# Altium PCB sumboost.PcbDoc (part 1 of 2)
Units mil, origin at the board's own origin, x right, y up, seen from the top; angles counter-clockwise.
Board outline 3937.01 x 3937.01 mil, 2 copper layers (Top Layer, Bottom Layer); 75 components, 26 nets, 285 pads, 2186 vias.
Unrouted connection lines stored in the file: 1.
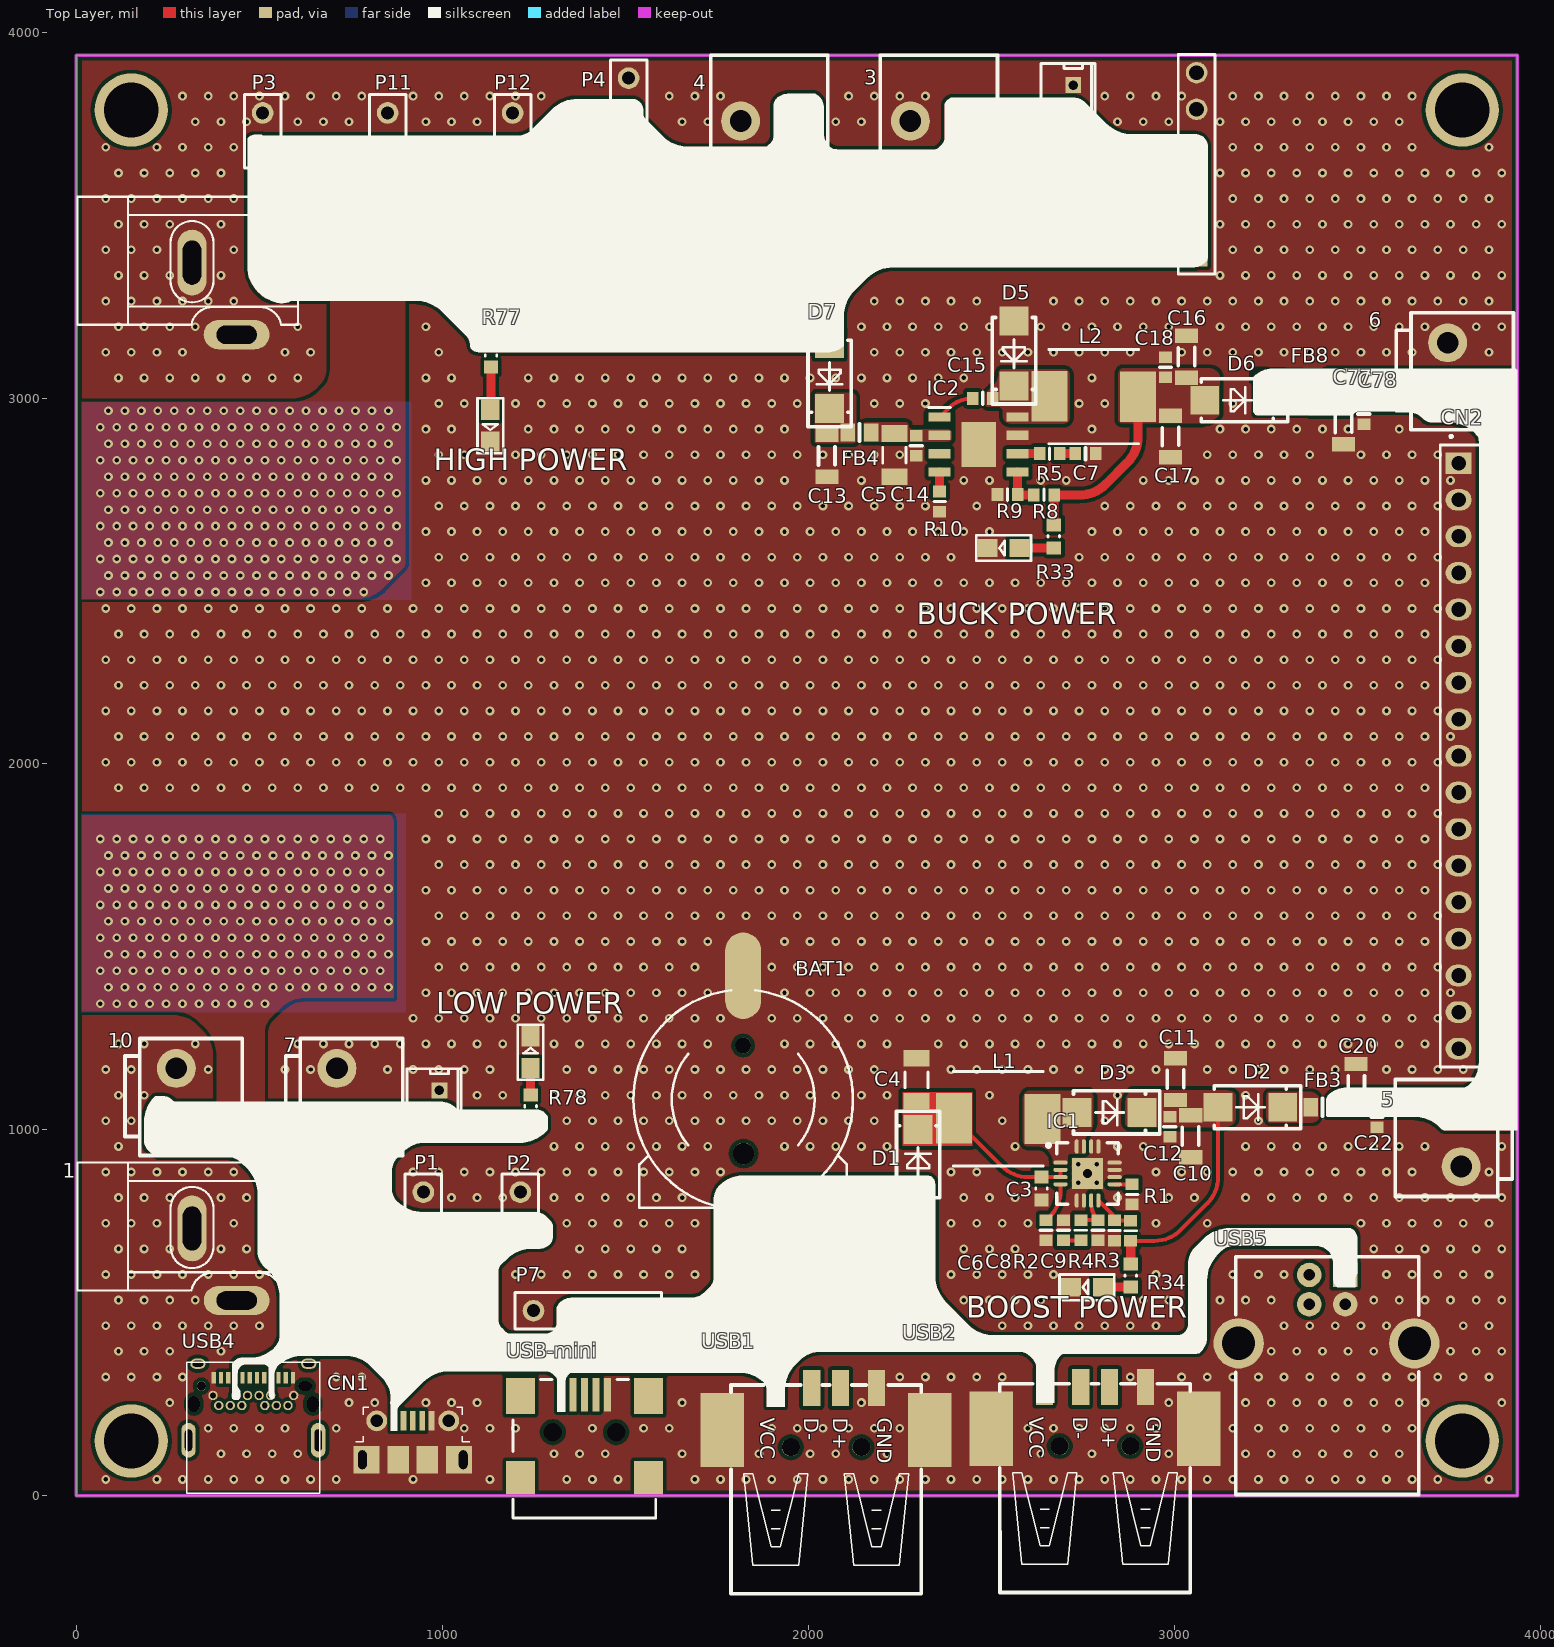
[diagram p0: Top Layer view]
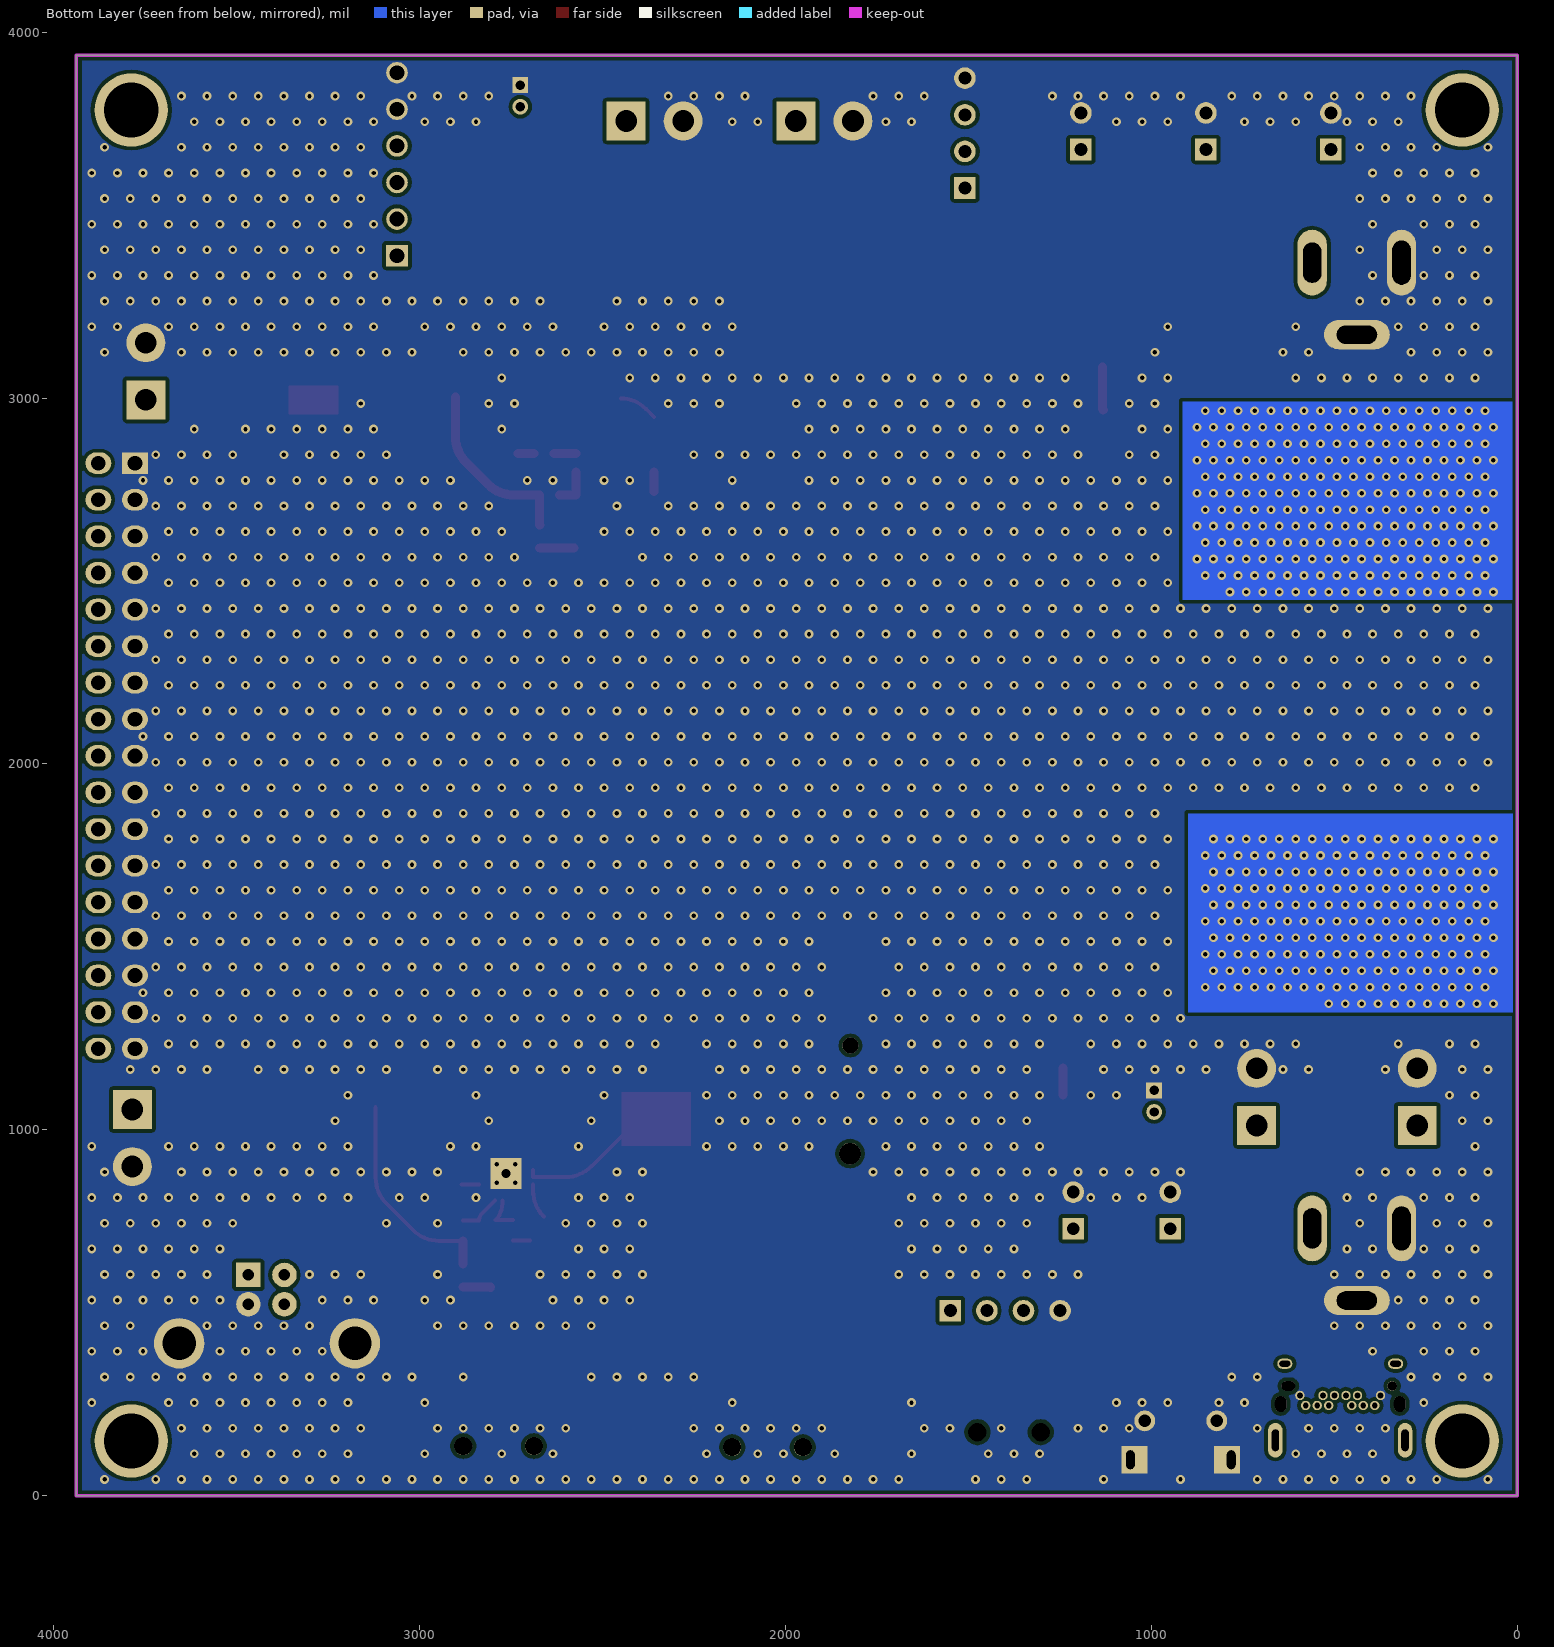
[diagram p1: Bottom Layer view, seen from below]
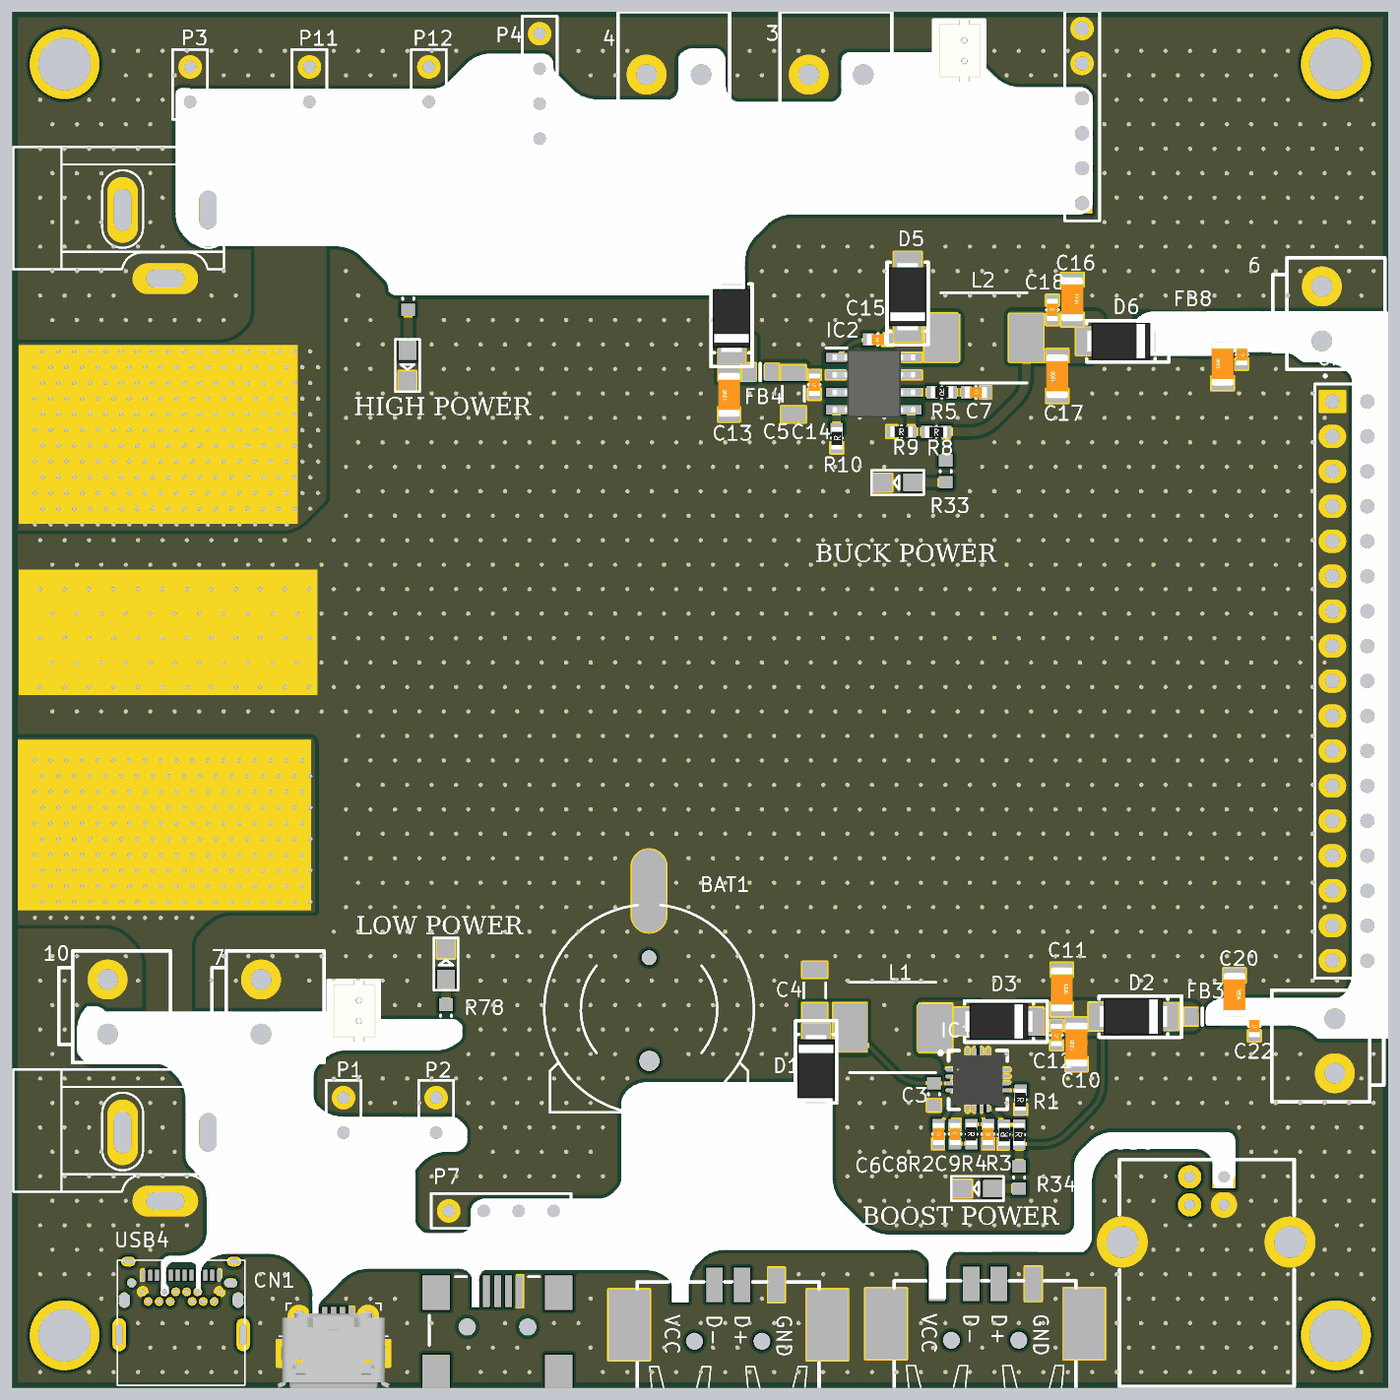
[diagram p3: 3D render of the assembled board from above, using the file's embedded part models]

## Layer stack, top to bottom
Top Solder: solder mask 0.4, Solder Resist, Dk 3.5
Top Layer: signal copper 1.4
Dielectric 1: dielectric 12.6, FR-4, Dk 4.8
Bottom Layer: signal copper 1.4
Bottom Solder: solder mask 0.4, Solder Resist, Dk 3.5

## Board outline
0,0 3937.01,0 3937.01,3937.01 0,3937.01

## Design rules (kind name [scope] priority, off if disabled: settings)
Clearance [All] p1: gap=10 ignorepadtopadclearanceinfootprint=FALSE except(0: Arc-Hole Track-Hole SMDPad-Hole THPad-Hole Via-Hole Fill-Hole Poly-Hole Region-Hole Text-Hole)
PlaneConnect [All] p1: planeconnectstyle=Direct reliefexpansion=20 reliefentries=4 reliefconductorwidth=10 reliefairgap=10
PolygonConnect [All] p1: connectstyle=Direct reliefconductorwidth=10 reliefentries=4 polygonreliefangle="90 Angle" airgapwidth=10
RoutingVias [All] p1: holewidth=28 width=50 viastyle="Through Hole" minholewidth=28 minwidth=50 maxholewidth=28 maxwidth=50
SolderMaskExpansion [All] p1: expansion=4
Width [All] p1: maxlimit=30 minlimit=10 preferedwidth=25
29 further rules are at their usual default settings.

## Classes and differential pairs
component class sumboost: 1 3 4 5 6 7 10 BAT1 C3 C4 C5 C6 C7 C8 C9 C10 C11 C12 C13 C14 C15 C16 C17 C18 C20 C22 C77 C78 CN1 CN2 D1 D2 D3 D5 D6 D7 FB3 FB4 FB8 "HIGH POWER" IC1 IC2 L1 L2 P1 P2 P3 P4 P7 P11 P12 R1 R2 R3 R4 R5 R8 R9 R10 R33 R34 R77 R78 USB1 USB2 USB4 USB5 USB-mini

## Components (designator, comment, footprint, x,y, rotation, side; value= is the part's Value field where it differs from the comment)
1 "DC005" DC10B 140.95,560.85 r0 top
3 "3.96" 3.96 2357.05,3757.01 r180 top
4 "3.96" 3.96 1893.05,3757.01 r180 top
5 "3.96" 3.96 3784,978 r270 top
6 "3.96" 3.96 3747,3072.95 r90 top
7 "3.96" 3.96 712,1090 r90 top
10 "3.96" 3.96 273,1090 r90 top
? "DC005" DC10B 140.91,3200 r0 top
BAT1 "BATT" BATM 1822,1083 r0 top
"BOOST POWER" "LED" SMDLED 2805.03,569.94 r180 top (schematic designator LD1)
"BUCK POWER" "LED" SMDLED 2577.03,2589.94 r180 top (schematic designator LD2)
C3 "10u" 0603C 2637.16,839.9 r270 top
C4 "10u" 1206C 2296,1137 r90 top
C5 "10u" 1206C 2235,2844 r90 top
C6 "Cap-S" C0603-L 2650.16,725.9 r90 top value=47nF
C7 "Cap-S" C0603-L 2757.56,2848 r180 top value=6.8nF
C8 "Cap-S" C0603-L 2697.36,725.9 r270 top value=100nF
C9 "Cap-S" C0603-L 2791.76,725.9 r90 top value=270pF
C10 "Cap-S" C1206-L 3045,983 r90 top value=47uF
C11 "Cap-S" C1206-L 3003,1139 r270 top value=47uF
C12 "Cap-S" C0603-L 2988,1009 r90 top value=100nF
C13 "Cap-S" C1206-L 2051,2842 r90 top value=47uF
C14 "Cap-S" C0603-L 2295,2870 r90 top value=100nF
C15 "Cap-S" C0603-L 2477,2999 r0 top value=100nF
C16 "Cap-S" C1206-L 3033,3113 r270 top value=47uF
C17 "Cap-S" C1206-L 2990,2895 r90 top value=47uF
C18 "Cap-S" C0603-L 2976,3084 r270 top value=100nF
C20 "Cap-S" C1206-L 3497,1123 r270 top value=47uF
C22 "Cap-S" C0603-L 3554,1035 r90 top value=100nF
C77 "Cap-S" C1206-L 3463,2931 r90 top value=47uF
C78 "Cap-S" C0603-L 3518,2956.56 r90 top value=100nF
CN1 "usb" Molex_1050170001 919.18,205 r0 top
CN2 "Header 17X2_Female" HDR_17x2_2R54_V_F 3777,2822 r270 top locked
CN4 "Header 6X1" HDR_1x6_2R54_V_M 3061,3389 r90 top
D1 "D" D-SMA 2300,913 r90 top
D2 "D" D-SMA 3208,1062 r0 top
D3 "D" D-SMA 2823,1048 r0 top
D5 "D" D-SMA 2562,3121.58 r270 top
D6 "D" D-SMA 3172,2994 r0 top
D7 "D" D-SMA 2058,3059.58 r270 top
FB3 "600R" FB-0805 3405,1062 r0 top
FB4 "600R" FB-0805 2140,2906 r0 top
FB8 "600R" FB-0805 3371,2994 r0 top
"HIGH POWER" "LED" SMDLED 1131.06,2968.03 r270 top (schematic designator LD4)
IC1 "TPS55330RTET" VQFN-16 2763,881 r0 top
IC2 "TPS54360BDDAR" SOIC127P600X170-9N 2465.23,2873 r0 top
L1 "4.7uH" L-6.5mm 2519.16,1030.9 r0 top
L2 "10uH" L-6.5mm 2780.06,3004.02 r0 top
"LOW POWER" "LED" SMDLED 1240.94,1168.96 r90 top (schematic designator LD3)
P1 "Header 2" HDR1X2 948,730 r90 top
P2 "Header 2" HDR1X2 1213,730 r90 top
P3 "Header 2" HDR1X2 509,3679 r90 top
P4 "" HDR1X4 1509,3574 r90 top
P7 "4-3.96" HDR1X4 1549,506 r180 top
P11 "Header 2" HDR1X2 850.5,3679 r90 top
P12 "Header 2" HDR1X2 1192,3679 r90 top
R1 "R" R0603-L 2885.16,823.9 r270 top value=78.7K
R2 "R" R0603-L 2744.56,725.9 r270 top value=1.8K
R3 "R" R0603-L 2881,724.44 r270 top value=20K
R4 "R" R0603-L 2837,725 r90 top value=1.6K
R5 "R" R0603-L 2659.56,2848 r180 top value=13K
R8 "R" R0603-L 2644,2735 r0 top value=5.1K
R9 "R" R0603-L 2544.56,2736 r0 top value=5.1K
R10 "R" R0603-L 2359,2717 r90 top value=110K
R33 "0R" 0603R 2671,2622 r270 top
R34 "0R" 0603R 2881,602 r270 top
R77 "0R" 0603R 1133,3116 r270 top
R78 "0R" 0603R 1241,1064.5 r90 top
USB1 "USB" USB-A/S_B 2048.54,133 r0 top
USB2 "USB" USB-A/S_B 2783.46,136 r0 top
USB4 "USB-C" USB-C/S_A 483.49,182.04 r0 top
USB5 "USB" USB-B/S_A 3417.79,523.69 r0 top
USB-mini "USB-B(Mini)" USB/SM0.8-6H5 1388.39,-32.69 r270 top
? "Comment" ZH1.5-LI-2p 2724,3825.53 r270 top
? "Comment" ZH1.5-LI-2p 992,1078.53 r270 top

## Footprints (in the part's own frame and the unit in brackets; to place one, negate y for a bottom-side part, rotate by r counter-clockwise, add the part's x,y. Pads: shape width x height; smd on the part's side, far side on the other; paste and mask are expansions set on the pad)
3.96 [mm] "接插件，25V/5A"
  rect 2.7x2.7 hole 1.5: 1(-1.98,0)
  round 2.7 hole 1.5: 2(1.982,0)
  silkscreen extent -4.06,-4.57 4.07,3.56, body extent -3.98,-4.4 4.03,4.16, height 10.5
0603C [mm] "Chip Capacitor, Body 1.6x0.8mm, Height 1.0mm, IPC Medium Density"
  rect 0.9x1 smd: 1(-0.8,0) 2(0.8,0)
  silkscreen extent -0.05,-0.4 0.05,0.4, body extent -0.88,-0.48 0.88,0.47, height 1
0603R [mm] "Chip Resistor, Body 1.6x0.8mm, IPC Medium Density"
  rect 0.9x1 smd: 1(-0.8,0) 2(0.8,0)
  silkscreen extent -0.05,-0.4 0.05,0.4, body extent -0.85,-0.47 0.85,0.47, height 0.6
1206C [mm] "Chip Capacitor, Body 3.2x1.6mm, Height 1mm, IPC Medium Density"
  rect 1.15x1.8 smd: 1(-1.5,0) 2(1.5,0)
  silkscreen extent -0.55,-0.8 0.55,0.8, body extent -1.7,-0.9 1.7,0.9, height 1
BATM [mm]
  round 1.1 hole 1.1 unplated: 0(0,3.748)
  round 1.5 hole 1.5 unplated: 0(0.025,-3.752)
  oct 2.5x6 smd: 1(0,-8.602)
  oval 2.5x6 smd: 2(0,8.598)
  silkscreen extent -7.62,-7.58 7.62,7.57
C0603-L [mm] "贴片电容0603 高密度"
  rect 0.8x0.9 smd: 1(-0.7,0) 2(0.7,0)
  silkscreen extent 0,-0.39 0,0.41, body extent -0.8,-0.4 0.8,0.41, height 0.88
C1206-L [mm] "Capacitor 1206 (3216) for Startronics  高密度"
  rect 1x1.6 smd: 1(-1.45,0) 2(1.45,0)
  silkscreen extent -0.64,-0.56 0.64,0.58, body extent -1.63,-0.8 1.57,0.8, height 1
D-SMA [mm]
  rect 2x2 smd: 1(-2.25,0) 2(2.25,0)
  silkscreen extent -2.5,-1.5 3.5,1.5, body extent -2.5,-1.35 2.5,1.35, height 2.15
DC10B [mil]
  oval 80x180 hole 50 slot 110 at 90 deg: 1(419.09,170)
  oval 80x180 hole 50 slot 120 at 90 deg: 2(175,170)
  oval 180x80 hole 50 slot 110 at 0 deg: 3(297.05,-26.85)
  silkscreen extent -138,0 465,350
FB-0805 [mil]
  rect 39.37x50 smd: 1(-32,0) 2(32,0)
  silkscreen extent 0,-24 0,24, body extent -40,-25 40,25, height 28
HDR1X2 [mm]
  rect 1.5x1.5 hole 0.9: 1(0,0)
  round 1.5 hole 0.9: 2(2.54,0)
  silkscreen extent -1.27,-1.27 3.81,1.27
HDR1X4 [mm]
  rect 1.5x1.5 hole 0.9: 1(0,0)
  round 1.5 hole 0.9: 2(2.54,0) 3(5.08,0) 4(7.62,0)
  silkscreen extent -1.27,-1.27 8.89,1.27
HDR_1x6_2R54_V_M [mm] "Male Header, Pitch 2.54mm, 6x1 Position, Mated Height 6mm, Tail Length 3mm"
  rect 1.5x1.5 hole 1.02: 1(0,0)
  round 1.5 hole 1.02: 2(2.54,0) 3(5.08,0) 4(7.62,0) 5(10.16,0) 6(12.7,0)
  silkscreen extent -1.27,-1.27 13.97,1.79, body extent -1.27,-1.27 13.97,1.27, height 9
HDR_17x2_2R54_V_F [mm] "Female Header, Pitch 2.54mm, 2x17 Position, Mated Height 6mm, Tail Length 3mm"
  rect 1.5x1.8 hole 1.02: 1(0,0)
  oval 1.5x1.8 hole 1.02: 2(0,2.54) 3(2.54,0) 4(2.54,2.54) 5(5.08,0) 6(5.08,2.54) 7(7.62,0) 8(7.62,2.54) 9(10.16,0) 10(10.16,2.54) 11(12.7,0) 12(12.7,2.54) 13(15.24,0) 14(15.24,2.54) 15(17.78,0) 16(17.78,2.54) 17(20.32,0) 18(20.32,2.54) 19(22.86,0) 20(22.86,2.54) 21(25.4,0) 22(25.4,2.54) 23(27.94,0) 24(27.94,2.54) 25(30.48,0) 26(30.48,2.54) 27(33.02,0) 28(33.02,2.54) 29(35.56,0) 30(35.56,2.54) 31(38.1,0) 32(38.1,2.54) 33(40.64,0) 34(40.64,2.54)
  silkscreen extent -1.91,-1.27 41.91,3.81, body extent -1.27,-1.27 41.91,3.81, height 8.64
L-6.5mm [mm]
  rect 2.5x3.5 smd: 1(-3.075,0.025) 2(3.075,-0.025)
  silkscreen extent -3.12,-3.28 3.12,3.28, body extent -3.13,-3 3.13,3, height 3
Molex_1050170001 [mm] "USB Micro-B Connector"
  rect 0.4x1.35 smd: 1(-1.3,0) 2(-0.65,0) 3(0,0) 4(0.65,0) 5(1.3,0)
  round 1.45 hole 0.85: 6(-2.5,0) 11(2.5,0)
  rect 1.8x1.9 hole 0.6 slot 1.3 at 90 deg copper offset 0.3,0: 7(-3.5,-2.7)
  rect 1.5x1.9 smd: 8(-1,-2.7) 9(1,-2.7)
  rect 1.8x1.9 hole 0.6 slot 1.3 at 90 deg copper offset -0.3,0: 10(3.5,-2.7)
  silkscreen extent -3.95,-1.46 3.95,1.37, body extent -4.1,-5.21 4.1,0.19, height 2.58
R0603-L [mm] "贴片电阻0603 高密度"
  rect 0.8x0.9 smd: 1(-0.7,0) 2(0.7,0)
  silkscreen extent 0,-0.39 0,0.41, body extent -0.81,-0.43 0.79,0.39, height 0.53
SMDLED [mm]
  rect 1.4x1.27 smd: 1(0.001,-0.002) 2(2.211,-0.002)
  silkscreen extent -0.8,-0.89 3.01,0.89
SOIC127P600X170-9N [mm]
  rect 1.525x0.65 smd: 1(-2.712,1.905) 2(-2.712,0.635) 3(-2.712,-0.635) 4(-2.712,-1.905) 5(2.712,-1.905) 6(2.712,-0.635) 7(2.712,0.635) 8(2.712,1.905)
  rect 2.4x3.1 smd: 9(0,0)
  silkscreen extent -3.47,2.58 -1.95,2.58, body extent -3,-2.45 3,2.45, height 1.7
USB-A/S_B [mm] "A型贴片母头，"
  rect 1.2x2.5 smd: 1(-3.5,4.1) 2(-1,4.1) 3(1,4.1) 4(3.5,4.1)
  rect 3x5.15 smd: 4(-7.2,1.2) 4(7.2,1.2)
  round 1.25 hole 1.25 unplated: 7(-2.45,0) 8(2.45,0)
  silkscreen extent -6.6,-10.16 6.61,6.19, body extent -7.75,-9.9 7.75,4.8, height 6.9
USB-B/S_A [mm] "b型USB 母座 16.3*13.7*11mm"
  rect 1.7x1.7 hole 0.8: 1(1.25,2.032)
  round 1.7 hole 0.8: 2(-1.25,2.032) 3(-1.25,0) 4(1.25,0)
  round 3.5 hole 2.3: 4(-6.141,-2.71) 4(6.051,-2.71)
  silkscreen extent -6.35,-13.21 6.35,3.3, body extent -6.86,-13.16 6.86,3.14, height 11.45
USB-C/S_A [mm]
  oval 1x2.4 hole 0.5 slot 1.5 at 90 deg: 0(-4.5,-0.765) 0(4.5,-0.765)
  oval 0.8x1.1 hole 0.8 slot 1.1 at 90 deg: 0(-4.13,1.75) 0(4.13,1.75)
  oval 1.05x0.7 hole 0.4 slot 0.75 at 0 deg: 0(-3.845,4.55) 0(3.845,4.55)
  rect 0.3x0.8 smd: A1(-2.75,3.56) A2(-2.25,3.56) A3(-1.75,3.56) A4(-1.25,3.56) A5(-0.75,3.56) A6(-0.25,3.56) A7(0.25,3.56) A8(0.75,3.56) A9(1.25,3.56) A10(1.75,3.56) A11(2.25,3.56) A12(2.75,3.56)
  round 0.65 hole 0.4: B1(2.8,2.35) B2(2.4,1.65) B3(1.6,1.65) B4(1.2,2.35) B5(0.8,1.65) B6(0.4,2.35) B7(-0.4,2.35) B8(-0.8,1.65) B9(-1.2,2.35) B10(-1.6,1.65) B11(-2.4,1.65) B12(-2.8,2.35)
  round 0.65 hole 0.65: N(-3.6,3)
  oval 0.95x0.65 hole 0.65 slot 0.95 at 0 deg: N(3.6,3)
  silkscreen extent -4.62,-4.45 4.62,4.65, body extent -4.62,-4.45 4.63,4.65, height 3.35
USB/SM0.8-6H5 [mm]
  rect 2.3x0.5 smd: 1(-7.85,-1.6) 2(-7.85,-0.8) 3(-7.85,0) 4(-7.85,0.8) 5(-7.85,1.6)
  rect 2.5x2 smd: 6(-7.75,4.45) 7(-1.996,4.45) 8(-7.75,-4.45) 9(-1.996,-4.45)
  round 0.6 hole 1.27 unplated: MH1(-5.25,2.2) MH2(-5.25,-2.2)
  silkscreen extent -9.67,-4.95 0.7,4.95
VQFN-16 [mm]
  oval 1x0.28 smd: 1(-1.877,0.75) 2(-1.877,0.25) 3(-1.877,-0.25) 4(-1.877,-0.75) 9(1.877,-0.75) 10(1.877,-0.25) 11(1.877,0.25) 12(1.877,0.75)
  oval 0.28x1 smd: 5(-0.75,-1.877) 6(-0.25,-1.877) 7(0.25,-1.877) 8(0.75,-1.877) 13(0.75,1.877) 14(0.25,1.877) 15(-0.25,1.877) 16(-0.75,1.877)
  rect 2.14x2.14 smd: 17(0,0)
  rect 2.14x2.14 smd far side: 17(0,0)
  silkscreen extent -2.83,-2.13 2.13,2.13, body extent -1.85,-1.85 1.85,1.85, height 1.4
ZH1.5-LI-2p [mm] "长：4.5，宽：3.65，高：4.55"
  rect 1.1x1.1 hole 0.65: 1(-0.75,0)
  round 1.1 hole 0.65: 2(0.75,0)
  silkscreen extent -2.25,-2.25 2.25,1.5, body extent -2.25,-2.15 2.25,1.5, height 4.6

## Part data
BAT1: library part BAT
"BOOST POWER" "BUCK POWER" "HIGH POWER" "LOW POWER": "Typical RED, GREEN, YELLOW, AMBER GaAs LED", PackageDocument=Feb-2002, LatestRevisionDate=17-Jul-2002, LatestRevisionNote="Re-released for DXP Platform.", PackageReference=3.2X1.6X1.1, Published=8-Jun-2000, Publisher="Altium Limited"
C3 C4 C5: library part C, "Capacitor"
C6 C7 C8 C9 C10 C11 C12 C13 C14 C15 C16 C17 C18 C20 C22 C77 C78: "贴片瓷片电容"
CN2: "Header, 17-Pin, Dual row,female", Publisher="Altium Limited", Revision="17-Jul-2002: Re-released for DXP Platform."
CN4: "Header, 6-Pin, Single row", LatestRevisionDate=17-Jul-2002, LatestRevisionNote="Re-released for DXP Platform.", Publisher="Altium Limited"
D1 D2 D3 D5 D6 D7: library part Diode, "二极管", Model=1N5824
FB3 FB4 FB8: library part FB
IC1: "Integrated Circuit", Manufacturer_Name="Texas Instruments", Mouser Part Number=595-TPS55330RTET, Arrow Part Number=TPS55330RTET, Arrow Price/Stock=https://www.arrow.com/en/products/tps55330rtet/texas-instruments, Datasheet Link=http://docs-emea.rs-online.com/webdocs/1323/0900766b8132341b.pdf, Height=0.8mm, Manufacturer_Part_Number=TPS55330RTET, Mouser Price/Stock=https://www.mouser.co.uk/ProductDetail/Texas-Instruments/TPS55330RTET/?qs=G%2FfA1zOA0fJsAvkaZR6vXQ%3D%3D
IC2: "Integrated Circuit", Manufacturer_Name="Texas Instruments", Mouser Part Number=595-TPS54360BDDAR, Arrow Part Number=TPS54360BDDAR, Arrow Price/Stock=https://www.arrow.com/en/products/tps54360bddar/texas-instruments, Datasheet Link=http://www.ti.com/lit/gpn/TPS54360B, Height=1.7mm, Manufacturer_Part_Number=TPS54360BDDAR, Mouser Price/Stock=https://www.mouser.co.uk/ProductDetail/Texas-Instruments/TPS54360BDDAR?qs=l7cgNqFNU1iKlQpZ394odQ%3D%3D
L1 L2: library part Inductor
P1 P2 P3 P11 P12: "Header, 2-Pin", LatestRevisionDate=17-Jul-2002, LatestRevisionNote="Re-released for DXP Platform.", Publisher="Altium Limited"
P4 P7: library part "Header 4", "Header, 4-Pin", LatestRevisionDate=17-Jul-2002, LatestRevisionNote="Re-released for DXP Platform.", Publisher="Altium Limited"
R1 R2 R3 R4 R5 R8 R9 R10: library part Res, "贴片电阻"
R33 R34 R77 R78: library part Resistor, "Resistor"
USB1 USB2: library part USB-A/S, "USB-A型母接口", BOM名称=USB-A型母接口, 学习资源=www.ooocke.com, 版权归属=源创客
USB4: library part USB-C/S, "USB-C型母接口", BOM名称=USB-C型母接口, 学习资源=www.ooocke.com, 版权归属=源创客
USB5: library part USB-B/S, "USB-B型母接口", BOM名称=USB-B型母接口, 学习资源=www.ooocke.com, 版权归属=源创客
USB-mini: library part USB5
CN1: Silkscreen=USB

## Free pads (board coordinates)
  round 200 hole 150: 5(150,150) 5(150,3787.01) 5(3787.01,150) 5(3787.01,3787.01)

## Via types
v1: diameter 24, hole 12, Top Layer to Bottom Layer, tented both sides, 2181 vias
v2: diameter 20, hole 12, Top Layer to Bottom Layer, 4 vias
v3: diameter 35, hole 25, Top Layer to Bottom Layer, 1 vias

## Nets (pads, with @x,y where several pads share a name; then routed paths per layer and width w, separated by ;. In a path a pad name is that pad's centre, name@x,y a point inside that pad or via, vN(x,y) a via of type N, cw(c..) or ccw(c..) an arc to the next point about the centre after c; other vN are vias at no path point)
+VOUT: 5.1 6.1 C20.2 C22.2 C77.2 C78.2 CN2.2 CN2.4 CN2.6 CN2.8 CN2.10 CN2.12 CN2.14 CN2.16 CN2.18 CN2.20 CN2.22 CN2.24 CN2.26 CN2.28 CN2.30 CN2.32 CN2.34 FB3.2 FB8.2
+VOUT1: D6.2 FB8.1
+VOUT2: D2.2 FB3.1